# KiCad board MagMechSplit_nRF52840.kicad_pcb (continued)
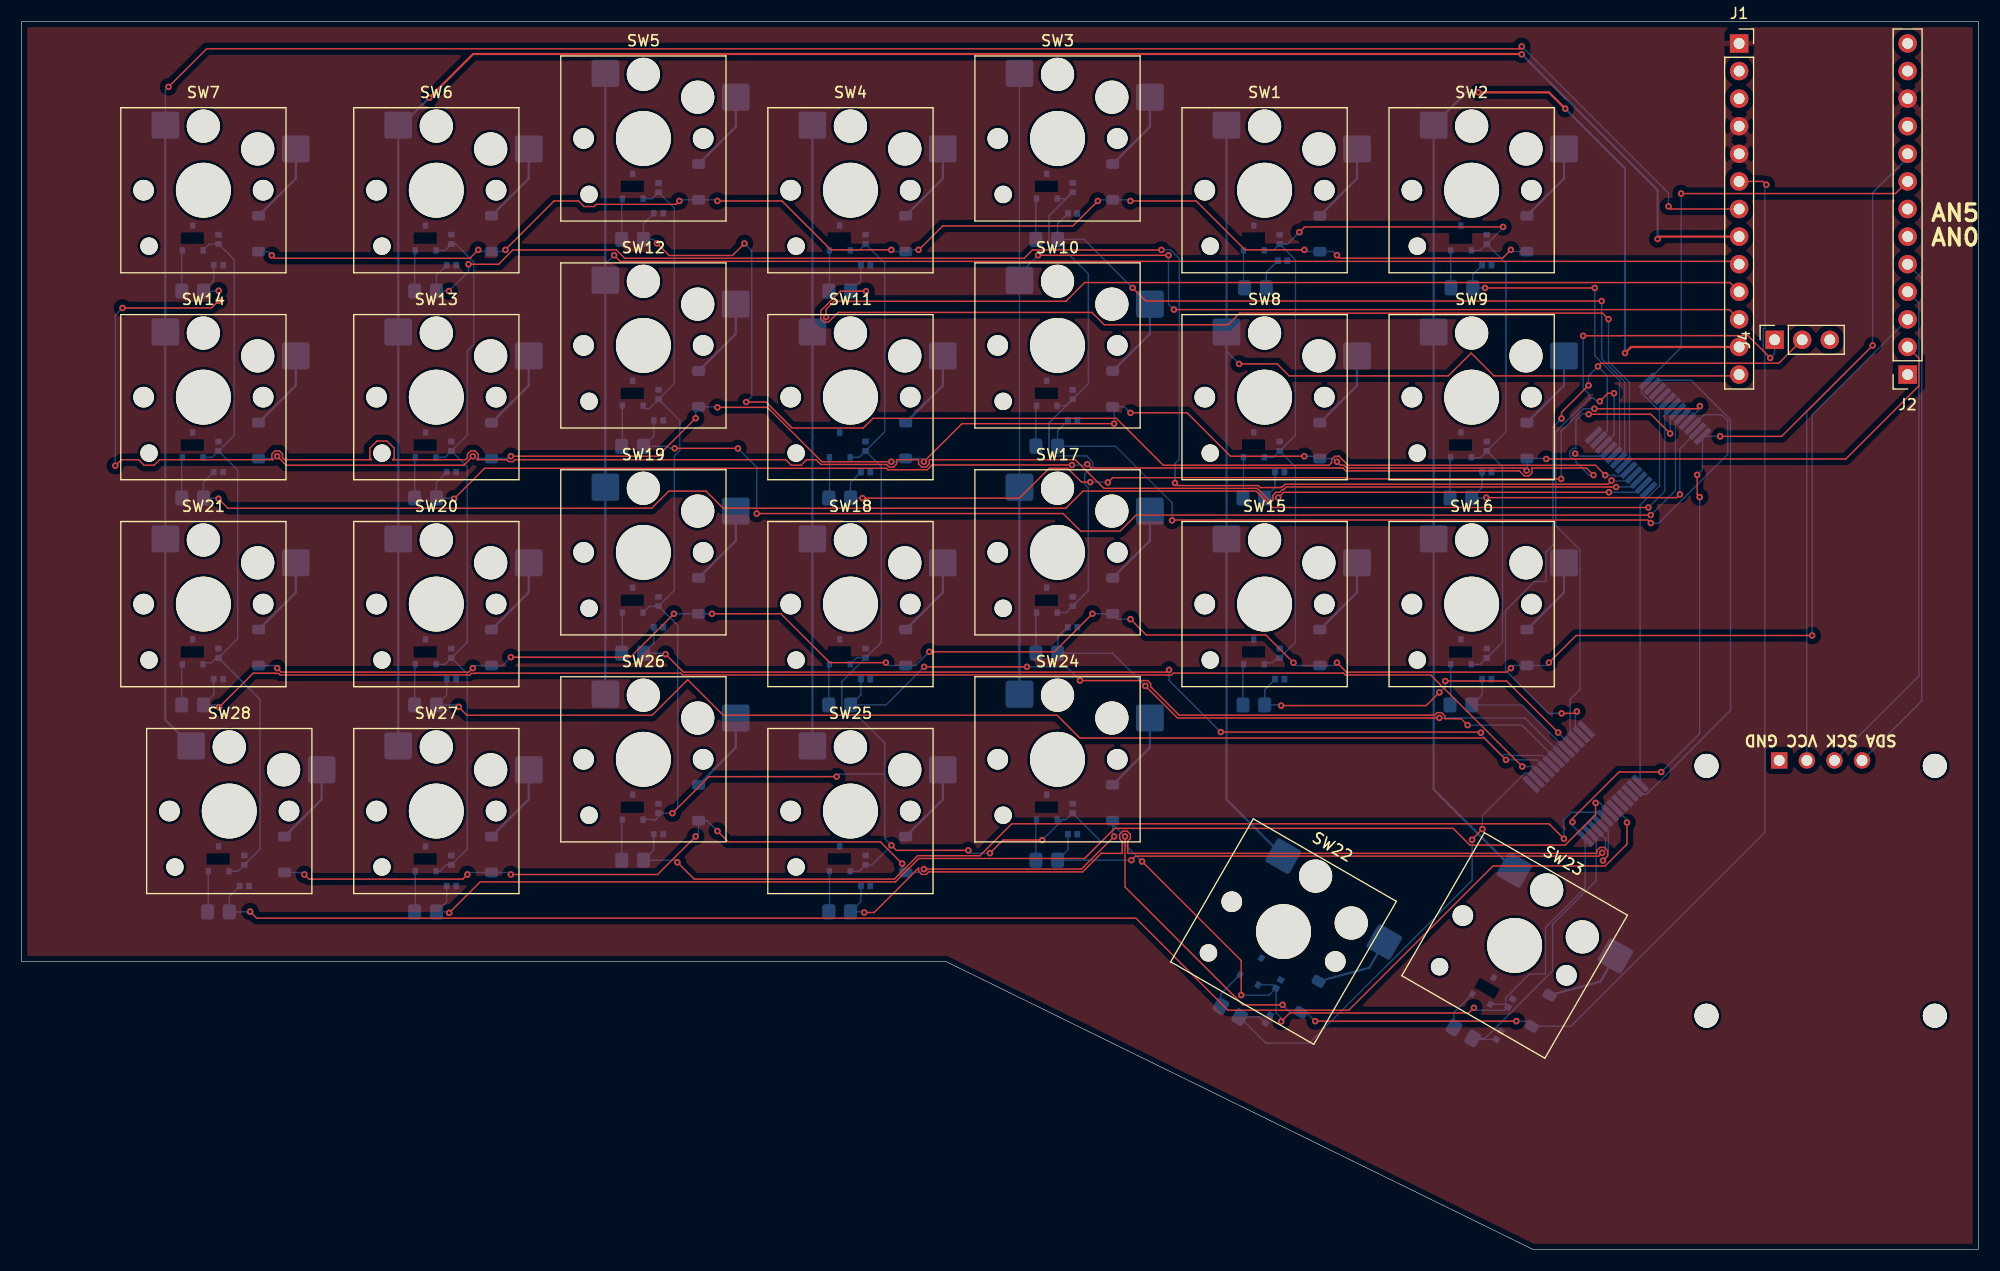
[diagram p0: board, top side]
## Nets
GND: C1.2 C2.2 C3.2 C4.2 C5.2 C6.2 C7.2 C8.2 C9.2 C10.2 C11.2 C12.2 C13.2 C14.2 C15.2 C16.2 C17.2 C18.2 C19.2 C20.2 C21.2 C22.2 C23.2 C24.2 C25.2 C26.2 C27.2 C28.2 C29.2 C30.2 C31.2 C32.2 C33.2 C34.2 C35.2 C36.2 C37.2 C38.2 C39.2 C40.2 C41.2 C42.2 C43.2 C44.2 C45.2 C46.2 C47.2 C48.2 C49.2 C50.2 C51.2 C52.2 C53.2 C54.2 C55.2 C56.2 J1.1 J1.4 J1.5 J2.11 T1.3 T2.3 T3.3 T4.3 T5.3 T6.3 T7.3 T8.3 T9.3 T10.3 T11.3 T12.3 T13.3 T14.3 T15.3 T16.3 T17.3 T18.3 T19.3 T20.3 T21.3 T22.3 T23.3 T24.3 T25.3 T26.3 T27.3 T28.3 U1.12 U1.15 U2.12 U2.15
gnd: REF**.1
VBAT: J2.12 J2.13
COL0: J1.13 SW1.1 SW8.1 SW15.1 SW22.1
COL1: J1.12 SW2.1 SW9.1 SW16.1 SW23.1
COL2: J1.11 SW3.1 SW10.1 SW17.1 SW24.1
COL3: J1.10 SW4.1 SW11.1 SW18.1 SW25.1
COL4: J1.9 SW5.1 SW12.1 SW19.1 SW26.1
COL5: J1.8 SW6.1 SW13.1 SW20.1 SW27.1
COL6: J1.7 SW7.1 SW14.1 SW21.1 SW28.1
P0.02: J2.6 U1.1
P0.09: D1.1 D2.1 D3.1 D4.1 D5.1 D6.1 D7.1 J2.1
P0.10: D8.1 D9.1 D10.1 D11.1 D12.1 D13.1 D14.1 J2.2
P0.17: D22.1 D23.1 D24.1 D25.1 D26.1 D27.1 D28.1 J1.6
P0.29: J2.7 U2.1
P0.31: J2.8 U1.13 U2.13
P1.01: J4.1 U1.10 U2.10
P1.02: J4.2 U1.11 U2.11
P1.07: J4.3 U1.14 U2.14
P1.11: D15.1 D16.1 D17.1 D18.1 D19.1 D20.1 D21.1 J2.3
P1.13: J2.4 REF**.3
P1.15: J2.5 REF**.4
RESET: J2.10
RXD: J1.3
S1: C8.1 R1.2 U2.9
S2: C9.1 R2.2 U2.8
S3: C10.1 R3.2 U2.7
S4: C11.1 R4.2 U2.6
S5: C12.1 R5.2 U2.5
S6: C13.1 R6.2 U2.4
S7: C14.1 R7.2 U2.3
S8: C22.1 R8.2 U2.2
S9: C23.1 R9.2 U2.23
S10: C24.1 R10.2 U2.22
S11: C25.1 R11.2 U2.21
S12: C26.1 R12.2 U2.20
S13: C27.1 R13.2 U2.19
S14: C28.1 R14.2 U2.18
S15: C36.1 R15.2 U1.9
S16: C37.1 R16.2 U1.8
S17: C38.1 R17.2 U1.7
S18: C39.1 R18.2 U1.6
S19: C40.1 R19.2 U1.5
S20: C41.1 R20.2 U1.4
S21: C42.1 R21.2 U1.3
S22: C50.1 R22.2 U1.2
S23: C51.1 R23.2 U1.23
S24: C52.1 R24.2 U1.22
S25: C53.1 R25.2 U1.21
S26: C54.1 R26.2 U1.20
S27: C55.1 R27.2 U1.19
S28: C56.1 R28.2 U1.18
TXD: J1.2
VOUT 3V3: C1.1 C2.1 C3.1 C4.1 C5.1 C6.1 C7.1 C15.1 C16.1 C17.1 C18.1 C19.1 C20.1 C21.1 C29.1 C30.1 C31.1 C32.1 C33.1 C34.1 C35.1 C43.1 C44.1 C45.1 C46.1 C47.1 C48.1 C49.1 J2.9 REF**.2 T1.1 T2.1 T3.1 T4.1 T5.1 T6.1 T7.1 T8.1 T9.1 T10.1 T11.1 T12.1 T13.1 T14.1 T15.1 T16.1 T17.1 T18.1 T19.1 T20.1 T21.1 T22.1 T23.1 T24.1 T25.1 T26.1 T27.1 T28.1 U1.24 U2.24
Net-(D1-A): D1.2 SW1.2
Net-(D2-A): D2.2 SW2.2
Net-(D3-A): D3.2 SW3.2
Net-(D4-A): D4.2 SW4.2
Net-(D5-A): D5.2 SW5.2
Net-(D6-A): D6.2 SW6.2
Net-(D7-A): D7.2 SW7.2
Net-(D8-A): D8.2 SW8.2
Net-(D9-A): D9.2 SW9.2
Net-(D10-A): D10.2 SW10.2
Net-(D11-A): D11.2 SW11.2
Net-(D12-A): D12.2 SW12.2
Net-(D13-A): D13.2 SW13.2
Net-(D14-A): D14.2 SW14.2
Net-(D15-A): D15.2 SW15.2
Net-(D16-A): D16.2 SW16.2
Net-(D17-A): D17.2 SW17.2
Net-(D18-A): D18.2 SW18.2
Net-(D19-A): D19.2 SW19.2
Net-(D20-A): D20.2 SW20.2
Net-(D21-A): D21.2 SW21.2
Net-(D22-A): D22.2 SW22.2
Net-(D23-A): D23.2 SW23.2
Net-(D24-A): D24.2 SW24.2
Net-(D25-A): D25.2 SW25.2
Net-(D26-A): D26.2 SW26.2
Net-(D27-A): D27.2 SW27.2
Net-(D28-A): D28.2 SW28.2
Net-(T1-VOUT): R1.1 T1.2
Net-(T2-VOUT): R2.1 T2.2
Net-(T3-VOUT): R3.1 T3.2
Net-(T4-VOUT): R4.1 T4.2
Net-(T5-VOUT): R5.1 T5.2
Net-(T6-VOUT): R6.1 T6.2
Net-(T7-VOUT): R7.1 T7.2
Net-(T8-VOUT): R8.1 T8.2
Net-(T9-VOUT): R9.1 T9.2
Net-(T10-VOUT): R10.1 T10.2
Net-(T11-VOUT): R11.1 T11.2
Net-(T12-VOUT): R12.1 T12.2
Net-(T13-VOUT): R13.1 T13.2
Net-(T14-VOUT): R14.1 T14.2
Net-(T15-VOUT): R15.1 T15.2
Net-(T16-VOUT): R16.1 T16.2
Net-(T17-VOUT): R17.1 T17.2
Net-(T18-VOUT): R18.1 T18.2
Net-(T19-VOUT): R19.1 T19.2
Net-(T20-VOUT): R20.1 T20.2
Net-(T21-VOUT): R21.1 T21.2
Net-(T22-VOUT): R22.1 T22.2
Net-(T23-VOUT): R23.1 T23.2
Net-(T24-VOUT): R24.1 T24.2
Net-(T25-VOUT): R25.1 T25.2
Net-(T26-VOUT): R26.1 T26.2
Net-(T27-VOUT): R27.1 T27.2
Net-(T28-VOUT): R28.1 T28.2

Pads without a net: U1 16 17; U2 16 17

## Via types
v1: diameter 0.6, hole 0.3, Front to Back, 170 vias

## Routing (per net, layer and track width the routed paths; a pad name or vN(x,y) marks a point on that pad's centre or on a via; arc(x,y) is an arc through that point)
COL0: length 121.1
  Front w0.127: J1.13 157.88,80.4 135.45,80.4 133.35,82.5 131.25,80.4 116.6,80.4 115.5,81.5 v1(112,81.5)
  Back w0.127: SW8.1 110.84,82.66 v1(112,81.5)
  Back w0.2: SW1.1 SW8.1 SW15.1 110.84,41.4 SW22.1
COL1: length 121.1
  Front w0.2: v1(142,105) 140.5,106.5 v1(134,106.5) ; J1.12 148.06,83.06 v1(147.5,82.5)
  Back w0.2: v1(142,105) 147.5,99.5 v1(147.5,82.5) ; v1(134,106.5) 132.9,106.5 SW2.1 SW9.1 SW16.1 129.89,42.34 SW23.1
COL2: length 148.8
  Front w0.127: J1.11 157.1,86.5 v1(106,86.5) ; v1(105.5,91.5) v1(93.5,91.5)
  Back w0.127: SW10.1 91.79,89.79 v1(93.5,91.5) ; v1(106,86.5) 105.5,87 v1(105.5,91.5) ; SW3.1 SW24.1
  Back w0.2: SW17.1 SW24.1
COL3: length 145.1
  Front w0.127: v1(74,85.83) 74,86.53 74.74,87.26 96.05,87.26 97.78,88.99 157.15,88.99 J1.10
  Back w0.127: v1(74,85.83) 74,85.7 SW11.1
  Back w0.2: SW4.1 SW11.1 SW18.1 SW25.1
COL4: length 163.6
  Front w0.127: v1(54.5,91.5) 55.06,90.94 157.74,90.94 J1.9
  Back w0.127: SW12.1 53.69,90.69 v1(54.5,91.5)
  Back w0.2: SW5.1 SW12.1 SW19.1 SW26.1
COL5: length 193.4
  Front w0.2: v1(37.5,106) 41.53,110.03 137.97,110.03 v1(138,110) ; J1.8 150.72,93.22 v1(150.5,93)
  Back w0.2: SW27.1 SW20.1 SW13.1 ; v1(138,110) 150.5,97.5 v1(150.5,93) ; SW13.1 34.64,84.89 ; SW13.1 SW6.1 34.99,103.49 v1(37.5,106)
COL6: length 214.7
  Front w0.127: v1(151.5,96) 151.74,95.76 J1.7 ; v1(13.5,107) 17.01,110.51 137.78,110.51 v1(138,110.73)
  Back w0.127: v1(13.5,107) 13.21,106.71 SW7.1 ; v1(151.5,96) 151.5,97.23 v1(138,110.73)
  Back w0.2: SW28.1 13.21,48.72 SW21.1 SW14.1 SW7.1
P0.09: length 126.3
  Front w0.127: v1(80,92) 74.44,92 69.94,96.5 v1(64,96.5) ; v1(121,91.5) 121.27,91.23 136.23,91.23 v1(137,92) ; v1(82.5,92) 82.53,92 84.73,94.2 96.7,94.2 v1(99,96.5) ; v1(44.5,92) 44.5,92.03 48.97,96.5 51.22,96.5 51.73,95.99 52.65,95.99 52.85,96.19 60.19,96.19 v1(60.5,96.5) ; v1(118,92) 112.54,92 108.04,96.5 v1(102,96.5) ; v1(23,91.5) 23.27,91.23 41.23,91.23 v1(42,92)
  Back w0.127: v1(137,92) 137.16,91.84 D2.1 ; v1(80,92) 80.16,91.84 D4.1 81.48,92 v1(82.5,92) ; v1(99,96.5) 99.1,96.6 D3.1 101.9,96.6 v1(102,96.5) ; v1(64,96.5) 63.9,96.6 D5.1 60.6,96.6 v1(60.5,96.5) ; D7.1 22.66,91.84 v1(23,91.5) ; v1(42,92) 42.16,91.84 D6.1 44.34,91.84 v1(44.5,92) ; v1(121,91.5) 120.66,91.84 D1.1 118.16,91.84 v1(118,92)
P0.10: length 171.9
  Front w0.127: v1(100.5,76) 86.5,76 v1(83,72.5) ; v1(138.45,71.68) 138.21,71.92 121.92,71.92 121.66,72.17 121.33,72.17 v1(121,72.5) ; v1(23.5,73) 24.32,72.18 40.68,72.18 v1(41.5,73) ; v1(102,77) 107.21,77 111.21,73 v1(118,73) ; v1(80,72.5) 73.61,72.5 68.61,77.5 v1(64,77.5) ; v1(140.25,72.75) 167.81,72.75 174.54,79.48 174.54,82.02 J2.2 ; v1(62,76.5) 58.5,73 v1(45,73)
  Back w0.127: v1(102,77) 101.45,77.55 D10.1 100.5,77.42 v1(100.5,76) ; v1(80,72.5) 81.03,72.5 D11.1 82.71,72.79 v1(83,72.5) ; v1(45,73) 44.79,72.79 D13.1 41.71,72.79 v1(41.5,73) ; v1(140.25,72.75) 140.21,72.79 D9.1 138.5,72.76 138.5,71.73 v1(138.45,71.68) ; v1(64,77.5) 63.95,77.55 D12.1 62,77.28 v1(62,76.5) ; v1(23.5,73) 23.29,72.79 D14.1 ; v1(121,72.5) 120.71,72.79 D8.1 119.21,73 v1(118,73)
P0.17: length 225.7
  Front w0.127: J1.6 160.2,98.3 v1(160.5,98) ; v1(45,34.5) 58.5,34.5 v1(62,38) ; v1(81,35.5) 79,37.5 65,37.5 v1(64,38.5) ; v1(119,21) v1(137.5,21) ; v1(116,22.5) 112.35,22.5 101.5,33.35 v1(101.5,38) ; v1(100.5,38) 100.49,38 97.49,35 83.33,35 83.19,34.86 83.14,34.86 v1(83,35) ; v1(26,34.5) 26.42,34.08 40.58,34.08 v1(41,34.5)
  Back w0.127: v1(116,22.5) 116.69,21.81 D22.1 118.19,21.81 v1(119,21) ; v1(160.5,98) 160.37,97.87 160.37,84.76 160.22,84.76 160.22,82.68 160.37,82.68 160.37,38.38 142.53,20.53 D23.1 138.45,21 v1(137.5,21) ; v1(101.5,38) 100.37,39.13 D24.1 100.37,38.13 v1(100.5,38) ; v1(64,38.5) 63.05,39.45 D26.1 62.27,38.27 v1(62,38) ; v1(26,34.5) 25.81,34.69 D28.1 ; v1(81,35.5) 81,35.01 D25.1 82.69,34.69 v1(83,35) ; v1(45,34.5) 44.81,34.69 D27.1 41.19,34.69 v1(41,34.5)
P0.31: length 78.5
  Front w0.127: v1(152.66,97.18) 172.38,97.18 J2.8
  Back w0.127: v1(152.66,97.18) 152.66,83 U2.13 149.02,79.36 149.02,78.84 150.68,77.18 150.68,70.29 148.89,68.5 U1.13
P1.01: length 68
  Front w0.127: v1(143.65,84.09) 147.04,84.09 147.05,84.1 158.81,84.1 v1(160.86,82.05) ; v1(146.49,78.8) 145.93,78.8 v1(145.19,78.06)
  Back w0.127: 144.22,78.33 144.22,78.69 143.65,79.27 v1(143.65,84.09) ; 144.22,78.33 144.66,78.33 144.93,78.06 v1(145.19,78.06) ; 144.22,78.33 144.12,78.23 144.11,78.23 141.13,75.25 141.13,66.61 143.36,64.38 143.36,51.53 142.44,50.61 142.44,47.5 U1.10 ; v1(160.86,82.05) 161.26,82.45 J4.1 ; v1(146.49,78.8) 146.49,74.99 U2.10
P1.02: length 70.1
  Front w0.127: v1(143.07,49.51) 142.89,49.33 v1(141.67,49.33) ; v1(144.14,79.52) 141.66,77.04 v1(141.66,76.48) ; J4.2 161.64,81.56 145.3,81.56 v1(145.01,81.27)
  Back w0.127: v1(144.14,79.52) 144.14,80.4 v1(145.01,81.27) 145.87,80.42 145.87,75.29 U2.11 ; v1(143.07,49.51) 142.92,49.36 142.92,47.95 U1.11 ; v1(141.67,49.33) 140.47,49.33 136.51,53.3 136.51,58.8 139.18,61.47 140.23,61.47 140.23,64.19 140.87,64.83 140.87,75.69 v1(141.66,76.48)
P1.07: length 47.9
  Back w0.127: U1.14 148.98,41.89 149.49,41.89 157.21,49.6 157.21,76.38 153.58,80 150.58,80 U2.14
P1.11: length 185.9
  Front w0.127: v1(117,54) 114.45,56.55 103.45,56.55 v1(102,58) ; v1(83.5,55) 95,55 v1(98.5,58.5) ; v1(164.72,56.5) 143,56.5 v1(140.5,54) ; v1(23.5,53.5) 23.87,53.13 41.13,53.13 v1(41.5,53.5) ; v1(63.5,58.5) 69.84,58.5 74.34,54 v1(79.5,54) ; v1(137,53.5) 136.63,53.13 121.87,53.13 v1(121,54) ; v1(60,58.5) 56,54.5 v1(45,54.5)
  Back w0.127: D21.1 23.26,53.74 v1(23.5,53.5) ; v1(83.5,55) 82.24,53.74 D18.1 79.76,53.74 v1(79.5,54) ; v1(41.5,53.5) 41.74,53.74 D20.1 44.24,53.74 v1(45,54.5) ; v1(140.5,54) 140.24,53.74 D16.1 137.24,53.74 v1(137,53.5) ; v1(117,54) 117.26,53.74 D15.1 120.74,53.74 v1(121,54) ; v1(98.5,58.5) 98.5,58.5 D17.1 100.87,58 v1(102,58) ; v1(164.72,56.5) 164.72,76.82 J2.3 ; v1(60,58.5) 60,58.5 D19.1 62.27,58.5 v1(63.5,58.5)
P1.13: length 46.8
  Back w0.127: J2.4 174.54,87.1 174.54,52.77 REF**.3
P1.15: length 48.5
  Back w0.127: J2.5 174.8,89.38 174.8,50.49 REF**.4
S1: length 6.3
  Back w0.127: R1.2 114.5,89.93 C8.1 ; v1(142.91,73.24) 143.13,73.02 145.44,73.02 U2.9
S2: length 30.2
  Front w0.127: v1(144.71,88.5) 144.7,88.49 v1(134.62,88.49)
  Back w0.127: U2.8 147,73.66 147,79.98 144.71,82.27 v1(144.71,88.5) ; v1(134.62,88.49) 134.61,88.5 R2.2 133.5,89.74 C9.1
S3: length 70.9
  Front w0.127: v1(145.35,87.29) 103.41,87.29 v1(102.2,88.5)
  Back w0.127: v1(102.2,88.5) 97.73,92.97 R3.2 95.3,94.4 C10.1 ; v1(145.35,87.29) 145.35,81.99 147.46,79.88 147.46,73.2 U2.7
S4: length 98.5
  Front w0.127: v1(145.98,85.62) 145.42,86.18 112.06,86.18 110.98,85.1 99.59,85.1 98.45,86.24 75.11,86.24 74.2,85.33 73.8,85.33 73.51,85.62 73.51,86.4 75.3,88.19 v1(77.67,88.19)
  Back w0.127: v1(145.98,85.62) 145.98,81.72 147.92,79.78 147.92,72.74 U2.6 ; v1(77.67,88.19) 77.65,88.21 R4.2 77.2,89.16 C11.1
S5: length 114.1
  Front w0.127: v1(145.69,71.26) 144.78,72.17 138.65,72.17 138.65,72.17 138.25,72.17 138.25,72.17 122.03,72.17 121.15,73.05 121.09,72.99 120.8,72.99 120.51,72.7 120.51,72.41 120.28,72.18 105.02,72.18 100.7,76.49 78.31,76.49 77.42,75.6 70.87,75.6 68.48,77.99 v1(66.64,77.99) ; v1(58.44,92.6) 59.56,91.48 65.38,91.48 v1(66.49,92.59)
  Back w0.127: U2.5 147.28,71.18 146.55,71.18 146.47,71.26 v1(145.69,71.26) ; v1(66.49,92.59) 67.16,91.92 67.16,78.51 v1(66.64,77.99) ; C12.1 57.2,94.4 R5.2 58.07,92.97 v1(58.44,92.6)
S6: length 137.7
  Front w0.127: v1(146.26,70.77) 145.92,70.43 145.71,70.43 145.71,70.43 116.23,70.43 115.99,70.19 115.88,70.19 115.81,70.12 113.95,70.12 113.77,70.3 106.34,70.3 v1(106.1,70.54) ; v1(41.1,90.67) 43.87,90.67 45.19,91.99 54.7,91.99 55.47,91.23 92.23,91.23 92.99,91.99 v1(104.85,91.99)
  Back w0.127: C13.1 38.15,89.64 R6.2 39.3,88.21 v1(39.3,88.21) 41.1,90.01 v1(41.1,90.67) ; v1(106.1,70.54) 106.1,72.32 106.49,72.71 106.49,91.2 105.7,91.99 v1(104.85,91.99) ; v1(146.26,70.77) 146.31,70.72 147.74,70.72 U2.4
S7: length 180.7
  Front w0.127: v1(18.11,87.31) 17.45,86.65 v1(9.27,86.65) ; v1(146.68,70.17) 146.22,70.17 116.33,70.17 116.1,69.94 115.99,69.94 115.73,69.68 115.4,69.68 115.11,69.39 115.11,68.99 115.13,68.97 114.94,68.78 113.66,70.05 99.56,70.05 96.93,72.68 83.54,72.68 83.49,72.63 83.49,72.3 83.2,72.01 82.8,72.01 82.51,72.3 82.51,72.68 80.49,72.68 80.49,72.3 80.2,72.01 79.8,72.01 79.56,72.25 73.5,72.25 73.07,72.68 72.21,72.68 71.7,72.18 70.78,72.18 70.28,72.68 45.38,72.68 45.2,72.51 44.8,72.51 44.62,72.68 41.88,72.68 41.99,72.8 41.99,73.2 41.7,73.49 41.3,73.49 41.01,73.2 41.01,72.87 40.82,72.68 34.11,72.68 34.26,72.83 34.26,73.75 33.6,74.4 32.68,74.4 32.03,73.75 32.03,72.83 32.18,72.68 24.18,72.68 23.99,72.87 23.99,73.2 23.7,73.49 23.3,73.49 23.01,73.2 23.01,72.8 23.12,72.68 12.68,72.68 12.17,72.18 11.25,72.18 10.74,72.68 9.16,72.68 v1(8.61,72.13)
  Back w0.127: v1(146.68,70.17) 148.11,70.17 U2.3 ; v1(18.11,87.31) 18.11,88.23 v1(18.12,88.24) 18.09,88.21 R7.2 17.67,89.16 C14.1 ; v1(9.27,86.65) 8.61,85.99 v1(8.61,72.13)
S8: length 38.1
  Front w0.127: v1(115.6,69.19) 116.09,69.68 146.02,69.68 v1(146.02,69.68)
  Back w0.127: C22.1 115.3,70.11 R8.2 115.57,69.16 v1(115.6,69.19) ; U2.2 148.54,69.68 v1(146.02,69.68)
S9: length 28.6
  Front w0.127: v1(134.73,69.19) 152.25,69.19 v1(152.55,69.49)
  Back w0.127: v1(152.55,69.49) 152.55,73.69 U2.23 ; C23.1 134.35,70.11 R9.2 134.7,69.16 v1(134.73,69.19)
S10: length 77.9
  Front w0.127: v1(149.88,66.85) 149.6,67.13 105.86,67.13 v1(105.83,67.1)
  Back w0.127: C24.1 95.3,75.35 R10.2 100.62,73.92 105.83,68.71 v1(105.83,67.1) ; v1(149.88,66.85) 150.61,66.85 156.95,73.19 156.95,76.27 156.4,76.82 154.76,76.82 U2.22
S11: length 90
  Front w0.127: v1(154.39,77.62) 154.14,77.37 v1(144.68,77.37) ; v1(77.35,69.15) 91.79,69.15 94.53,71.89 96.22,71.89 97.5,70.61 v1(98.3,70.61) ; v1(141.62,70.92) 121.86,70.92 121.75,71.03 100.36,71.03 v1(99.92,70.59)
  Back w0.127: v1(144.68,77.37) 143.69,77.37 141.62,75.3 v1(141.62,70.92) ; v1(77.35,69.15) 77.34,69.16 R11.2 76.25,70.59 C25.1 ; v1(99.92,70.59) 99.9,70.61 v1(98.3,70.61) ; U2.21 154.39,77.37 v1(154.39,77.62)
S12: length 112.1
  Front w0.127: v1(149.87,67.59) 102.53,67.59 101.05,66.11 97.42,66.11 95.81,67.72 v1(67.62,67.72) ; v1(65.89,73.72) 65.88,73.73 v1(60.06,73.73)
  Back w0.127: v1(65.89,73.72) 67.62,71.99 v1(67.62,67.72) ; U2.20 152.15,76.05 152.15,69.86 v1(149.87,67.59) ; C26.1 58.15,74.87 R12.2 59.43,73.92 59.62,73.73 v1(60.06,73.73)
S13: length 130.8
  Front w0.127: v1(151.66,75.09) 149.88,76.87 v1(144.16,76.87) ; v1(98.03,72.27) 98.38,71.92 121.22,71.92 121.22,71.92 121.56,71.92 121.81,71.66 137.77,71.66 138.25,71.19 138.65,71.19 138.94,71.48 138.94,71.88 138.91,71.92 143.95,71.92 v1(144.6,71.26) ; v1(39.78,69.09) 42.58,71.89 79.55,71.89 79.69,71.75 83.31,71.75 83.76,72.2 96.62,72.2 v1(96.62,72.19)
  Back w0.127: v1(144.16,76.87) 144.13,76.9 143.58,76.9 142.98,76.3 142.98,73.73 142.71,73.73 142.42,73.44 142.42,73.04 142.71,72.75 142.98,72.75 142.98,72.48 144.19,71.26 v1(144.6,71.26) ; U2.19 151.66,76.48 v1(151.66,75.09) ; v1(98.03,72.27) 97.95,72.19 v1(96.62,72.19) ; C27.1 38.15,70.59 R13.2 39.71,69.16 v1(39.78,69.09)
S14: length 148.9
  Front w0.127: v1(18.1,69.09) 18.98,68.21 57.95,68.21 59.53,69.79 62.95,69.79 64.53,68.21 96.05,68.21 97.63,69.79 113.56,69.79 115.07,68.28 v1(149.65,68.28)
  Back w0.127: C28.1 16.72,70.59 R14.2 18.03,69.16 v1(18.1,69.09) ; v1(149.65,68.28) 151.17,69.8 151.17,76.9 U2.18
S15: length 34.6
  Front w0.127: v1(141.35,47.57) 136.61,52.31 v1(130.97,52.31) ; v1(115.87,50.05) 129.21,50.05 v1(130.42,51.26)
  Back w0.127: v1(130.97,52.31) 130.97,51.81 v1(130.42,51.26) ; v1(141.35,47.57) 142.44,46.48 U1.9 ; v1(115.87,50.05) 115.81,50.11 R15.2 114.35,51.51 115.3,52.46 C36.1
S16: length 13.2
  Back w0.127: U1.8 138,50.11 R16.2 134.35,51.06 C37.1
S17: length 53
  Front w0.127: v1(103.37,51.86) 106.32,48.91 v1(130.42,48.91)
  Back w0.127: v1(103.37,51.86) 100.36,54.87 R17.2 95.31,54.88 95.31,56.39 96.17,57.25 C38.1 ; U1.7 138.28,48.91 v1(130.42,48.91)
S18: length 73.2
  Front w0.127: v1(133.02,48.25) 132.43,48.84 130.91,48.84 130.91,49.11 130.62,49.4 130.21,49.4 129.98,49.17 106.48,49.17 103.86,51.79 103.86,52.06 103.57,52.35 103.17,52.35 v1(97.36,52.35) ; v1(92.48,53.62) v1(83.02,53.62)
  Back w0.127: v1(92.48,53.62) 96.1,53.62 v1(97.36,52.35) ; v1(83.02,53.62) 79.51,50.11 R18.2 77.2,51.06 C39.1 ; U1.6 138.02,48.25 v1(133.02,48.25)
S19: length 91.4
  Front w0.127: v1(110.31,47.61) 134.19,47.61 v1(134.24,47.55) ; v1(59.23,54.78) 60.88,53.13 105.34,53.13 v1(105.55,53.33)
  Back w0.127: U1.5 139.89,45.46 136.84,45.46 136.75,45.54 136.35,45.54 136.26,45.46 136.2,45.46 134.24,47.42 v1(134.24,47.55) ; C40.1 58.15,55.82 R19.2 59.14,54.87 v1(59.23,54.78) ; v1(110.31,47.61) 105.55,52.37 v1(105.55,53.33)
S20: length 110
  Front w0.127: v1(136.55,45.05) 134.54,47.06 97.35,47.06 95.25,49.16 64.53,49.16 61.27,52.43 58,49.16 40.96,49.16 v1(40.19,49.93)
  Back w0.127: v1(136.55,45.05) 139.38,45.05 U1.4 ; v1(40.19,49.93) 40.01,50.11 R20.2 39.1,51.06 C41.1
S21: length 131.4
  Front w0.127: v1(138.05,44.44) 129.62,52.87 121.77,52.87 121.6,53.04 105.95,53.04 105.75,52.84 105.35,52.84 105.32,52.87 60.78,52.87 60.61,53.04 41.74,53.04 41.7,53.01 41.37,53.01 41.23,52.87 23.77,52.87 23.63,53.01 23.3,53.01 23.26,53.04 21.3,53.04 v1(18.15,49.89)
  Back w0.127: C42.1 17.67,51.06 R21.2 17.93,50.11 v1(18.15,49.89) ; v1(138.05,44.44) 139.07,44.44 U1.3
S22: length 44.3
  Front w0.127: v1(133.43,37.7) 133.43,37.73 v1(134.38,38.68)
  Back w0.127: C50.1 113.86,21.38 R22.2 112.05,21.38 114.45,18.98 118.44,18.98 133.43,33.97 v1(133.43,37.7) ; U1.2 138.78,43.81 138.27,43.81 134.38,39.92 v1(134.38,38.68)
S23: length 26.7
  Back w0.127: C51.1 133.58,19.32 R23.2 134.62,19.41 140.84,25.64 140.84,29.93 144.84,33.92 144.84,37.75 U1.23
S24: length 55.9
  Front w0.127: v1(145.4,36.5) 145.09,36.19 102.46,36.19 v1(102.09,35.82)
  Back w0.127: U1.22 145.71,37.8 145.71,36.81 v1(145.4,36.5) ; C52.1 96.25,36.77 R24.2 102.09,35.82 v1(102.09,35.82)
S25: length 85.3
  Front w0.127: v1(145.47,35.78) 145.89,36.2 145.89,36.7 145.6,36.99 145.2,36.99 144.91,36.7 144.91,36.45 101.75,36.45 101.75,37.56 101.99,37.8 101.99,38.2 101.7,38.49 101.3,38.49 101.01,38.2 101.01,37.8 101.25,37.56 101.25,36.45 99.31,36.45 97.61,34.75 83.44,34.75 83.2,34.51 82.8,34.51 82.51,34.8 82.51,35.09 78.42,31 v1(77.51,31)
  Back w0.127: v1(77.51,31) 77.45,31.06 R25.2 77.2,32.01 C53.1 ; v1(145.47,35.78) 145.96,36.27 145.96,38.47 U1.21
S26: length 96.9
  Front w0.127: v1(60.32,35.62) 61.86,34.08 80.27,34.08 82.43,36.23 88.14,36.23 91.09,39.17 140.5,39.17 v1(141.88,37.79)
  Back w0.127: v1(60.32,35.62) 60.12,35.82 R26.2 58.15,36.77 C54.1 ; v1(141.88,37.79) 141.88,39.53 142.58,40.23 145.12,40.23 U1.20
S27: length 117.3
  Front w0.127: v1(39.33,30.97) 42.18,33.82 80.38,33.82 82.53,35.97 97.78,35.97 100.55,38.75 131.69,38.75 133.23,37.21 141.99,37.21 144.8,40.01 v1(144.8,41.09)
  Back w0.127: C55.1 39.1,32.01 R27.2 39.24,31.06 v1(39.33,30.97) ; v1(144.8,41.09) 145.18,41.09 U1.19
S28: length 145.2
  Front w0.127: v1(21.01,31.08) 21.61,30.48 102.5,30.48 110.97,22.01 122.09,22.01 135.36,35.29 145.68,35.29 147.68,37.29 v1(147.68,39.28)
  Back w0.127: v1(147.68,39.28) 147.68,39.51 U1.18 ; v1(21.01,31.08) 20.99,31.06 R28.2 19.1,32.49 C56.1
VOUT 3V3: length 684.3
  Front w0.127: v1(74.97,43.51) 63.23,43.51 v1(59.86,40.14) ; v1(156.25,74.83) 161.91,74.83 v1(170.28,83.2) ; v1(89.07,36.47) 90.28,37.67 v1(93.88,37.67) ; v1(80.01,37.18) 80.47,36.72 v1(87.09,36.72) ; 142.66,39.27 v1(142.66,39.33) 142.66,39.65 146.95,43.93 v1(150.84,43.93) ; v1(133.6,22.23) 133.12,21.75 116.65,21.75 v1(115.87,20.97) ; v1(117.54,93.63) 118.02,94.11 v1(136.28,94.11) ; v1(154.37,69.24) 154.14,69.47 v1(154.14,71.29) ; v1(103.07,35.7) 112.19,26.58 v1(112.19,23.4)
  Back w0.127: 79.4,43.74 79.4,46.6 76.79,49.21 75.71,49.21 75.46,49.47 75.46,52.26 C32.1 ; 79.4,43.74 79.4,37.79 v1(80.01,37.18) 78.22,35.39 C46.1 77.04,34.8 T25.1 ; 79.4,43.74 75.2,43.74 v1(74.97,43.51) ; C33.1 60.35,57.43 60.35,40.63 v1(59.86,40.14) 59.85,40.15 C47.1 58.58,39.83 58.21,39.46 58.11,39.56 T26.1 ; C33.1 60.03,60.65 60.03,73.01 60.55,73.53 60.55,76.28 C19.1 ; C33.1 57.75,59.2 T19.1 ; T10.1 96.09,77.66 C17.1 ; C16.1 136.23,72.04 136.23,55.89 C30.1 134.19,53.85 T16.1 ; C16.1 134.78,73.43 134.2,72.85 133.41,72.85 T9.1 ; C16.1 136.55,75.26 136.55,90.77 C2.1 ; C1.1 117.18,91.09 117.18,74.94 C15.1 ; C1.1 116.45,92.54 v1(117.54,93.63) ; C1.1 115.14,91.95 T1.1 ; v1(142.66,39.33) 142.66,39.01 U1.24 143.83,33.27 140.18,29.63 140.18,25.34 138.71,25.34 136.51,23.14 136.51,22.51 C44.1 ; C32.1 79.08,55.89 79.08,72.04 C18.1 ; C32.1 76.8,54.44 T18.1 ; C21.1 19.87,71.72 19.87,56.21 C35.1 ; C21.1 17.51,72.9 T14.1 ; C21.1 19.55,74.94 19.55,91.09 C7.1 17.27,92.54 T7.1 ; v1(112.19,23.4) 114.75,23.4 C43.1 ; C35.1 17.89,54.44 17.44,53.99 16.82,53.99 T21.1 ; C35.1 21.93,50.61 21.93,36.84 C49.1 19.89,34.8 T28.1 ; v1(154.37,69.24) 154.37,47.46 v1(150.84,43.93) ; T5.1 57.99,96.71 C5.1 60.03,95.85 60.03,79.7 C19.1 ; T13.1 38.94,72.9 C20.1 ; C20.1 40.98,72.04 40.98,55.89 C34.1 ; C20.1 40.98,74.94 40.98,82.68 41.59,83.29 41.59,90.87 39.93,92.54 C6.1 38.94,91.95 T6.1 ; 96.09,39.56 C45.1 99.32,37.51 101.26,37.51 v1(103.07,35.7) ; 96.09,39.56 95.77,39.56 v1(93.88,37.67) ; 96.09,39.56 T24.1 ; C34.1 40.98,52.99 40.98,36.84 C48.1 39.06,35.39 38.47,34.8 T27.1 ; C34.1 38.94,53.85 T20.1 ; T2.1 134.19,91.95 C2.1 ; T12.1 57.45,77.37 57.7,77.37 C19.1 ; C18.1 77.04,72.9 T11.1 ; C18.1 79.4,75.26 79.4,90.77 C4.1 77.04,91.95 T4.1 ; T3.1 96.09,96.71 C3.1 94.51,95.13 94.51,92.33 94.76,92.08 95.84,92.08 98.13,89.79 98.13,79.7 C17.1 ; C17.1 94.51,76.08 94.51,73.28 94.76,73.03 97.97,73.03 98.52,72.48 98.52,72.07 97.79,71.33 97.79,70.43 98.13,70.09 98.13,60.65 C31.1 96.09,58.61 T17.1 ; v1(89.07,36.47) 87.35,36.47 v1(87.09,36.72) ; v1(133.6,22.23) 133.82,22.01 136.46,22.01 C44.1 ; v1(156.25,74.83) 156.23,74.85 U2.24 154.63,71.78 v1(154.14,71.29) ; T22.1 115.1,24.34 C43.1 ; T8.1 115.14,72.9 C15.1 ; C15.1 117.18,72.04 117.18,55.89 C29.1 115.49,54.44 115.04,53.99 114.45,53.99 T15.1 ; C44.1 136.47,22.55 T23.1 ; C43.1 115.39,21.77 115.87,21.29 v1(115.87,20.97) ; 173.75,100.84 173.75,100.73 170.28,97.26 v1(170.28,83.2) 164.23,77.15 REF**.2 ; C2.1 136.28,94.04 v1(136.28,94.11)
Net-(D1-A): length 7.6
  Back w0.2: D1.2 122.84,98.56 SW1.2
Net-(D2-A): length 7.6
  Back w0.2: D2.2 141.89,98.56 SW2.2
Net-(D3-A): length 7.6
  Back w0.2: D3.2 103.79,103.32 SW3.2
Net-(D4-A): length 7.6
  Back w0.2: D4.2 84.74,98.56 SW4.2
Net-(D5-A): length 7.6
  Back w0.2: D5.2 65.69,103.32 SW5.2
Net-(D6-A): length 7.6
  Back w0.2: SW6.2 46.64,98.56 D6.2
Net-(D7-A): length 7.6
  Back w0.2: D7.2 25.21,98.56 SW7.2
Net-(D8-A): length 7.6
  Back w0.2: SW8.2 122.84,79.51 D8.2
Net-(D9-A): length 7.6
  Back w0.2: SW9.2 141.89,79.51 D9.2
Net-(D10-A): length 7.6
  Back w0.2: D10.2 103.79,84.27 SW10.2
Net-(D11-A): length 7.6
  Back w0.2: D11.2 84.74,79.51 SW11.2
Net-(D12-A): length 7.6
  Back w0.2: SW12.2 65.69,84.27 D12.2
Net-(D13-A): length 7.6
  Back w0.2: D13.2 46.64,79.51 SW13.2
Net-(D14-A): length 7.6
  Back w0.2: SW14.2 25.21,79.51 D14.2
Net-(D15-A): length 7.6
  Back w0.2: SW15.2 122.84,60.46 D15.2
Net-(D16-A): length 7.6
  Back w0.2: SW16.2 141.89,60.46 D16.2
Net-(D17-A): length 7.6
  Back w0.2: SW17.2 103.79,65.22 D17.2
Net-(D18-A): length 7.6
  Back w0.2: D18.2 84.74,60.46 SW18.2
Net-(D19-A): length 7.6
  Back w0.2: D19.2 65.69,65.22 SW19.2
Net-(D20-A): length 7.6
  Back w0.2: SW20.2 46.64,60.46 D20.2
Net-(D21-A): length 7.6
  Back w0.2: SW21.2 25.21,60.46 D21.2
Net-(D22-A): length 7.6
  Back w0.2: SW22.2 123.98,25.92 D22.2
Net-(D23-A): length 7.6
  Back w0.2: SW23.2 145.24,24.64 D23.2
Net-(D24-A): length 7.6
  Back w0.2: D24.2 103.79,46.17 SW24.2
Net-(D25-A): length 7.6
  Back w0.2: SW25.2 84.74,41.41 D25.2
Net-(D26-A): length 7.6
  Back w0.2: D26.2 65.69,46.17 SW26.2
Net-(D27-A): length 7.6
  Back w0.2: SW27.2 46.64,41.41 D27.2
Net-(D28-A): length 7.6
  Back w0.2: SW28.2 27.59,41.41 D28.2
Net-(T1-VOUT): length 3.5
  Back w0.127: R1.1 112.41,88.59 T1.2
Net-(T2-VOUT): length 3.5
  Back w0.127: T2.2 131.46,88.54 R2.1
Net-(T3-VOUT): length 3.8
  Back w0.127: T3.2 93.3,96.65 R3.1
Net-(T4-VOUT): length 3.8
  Back w0.127: T4.2 74.31,88.27 R4.1
Net-(T5-VOUT): length 3.8
  Back w0.127: R5.1 55.2,96.65 T5.2
Net-(T6-VOUT): length 3.8
  Back w0.127: R6.1 36.15,91.89 T6.2
Net-(T7-VOUT): length 3.8
  Back w0.127: R7.1 14.72,91.89 T7.2
Net-(T8-VOUT): length 3.8
  Back w0.127: T8.2 112.41,69.22 R8.1
Net-(T9-VOUT): length 3.8
  Back w0.127: T9.2 131.4,72.84 R9.1
Net-(T10-VOUT): length 3.8
  Back w0.127: T10.2 93.3,77.6 R10.1
Net-(T11-VOUT): length 3.8
  Back w0.127: T11.2 74.31,69.22 R11.1
Net-(T12-VOUT): length 3.8
  Back w0.127: R12.1 55.26,73.98 T12.2
Net-(T13-VOUT): length 3.8
  Back w0.127: R13.1 36.15,72.84 T13.2
Net-(T14-VOUT): length 3.8
  Back w0.127: T14.2 14.72,72.84 R14.1
Net-(T15-VOUT): length 3.8
  Back w0.127: R15.1 112.35,53.79 T15.2
Net-(T16-VOUT): length 3.8
  Back w0.127: R16.1 131.46,50.17 T16.2
Net-(T17-VOUT): length 3.8
  Back w0.127: R17.1 93.3,58.55 T17.2
Net-(T18-VOUT): length 3.8
  Back w0.127: R18.1 74.25,53.79 T18.2
Net-(T19-VOUT): length 3.8
  Back w0.127: R19.1 55.26,54.93 T19.2
Net-(T20-VOUT): length 3.8
  Back w0.127: T20.2 36.15,53.79 R20.1
Net-(T21-VOUT): length 3.8
  Back w0.127: R21.1 14.72,53.79 T21.2
Net-(T22-VOUT): length 3.6
  Back w0.127: T22.2 110.31,23.51 R22.1
Net-(T23-VOUT): length 3.8
  Back w0.127: R23.1 131.76,21.8 T23.2
Net-(T24-VOUT): length 3.8
  Back w0.127: T24.2 93.3,39.5 R24.1
Net-(T25-VOUT): length 3.8
  Back w0.127: R25.1 74.31,31.12 T25.2
Net-(T26-VOUT): length 3.8
  Back w0.127: R26.1 55.2,39.5 T26.2
Net-(T27-VOUT): length 3.8
  Back w0.127: R27.1 36.21,31.12 T27.2
Net-(T28-VOUT): length 3.8
  Back w0.127: R28.1 17.16,31.12 T28.2

## Copper pours and planes (outline as drawn; the poured copper is in the pictures)
GND on Front, Back, In1.Cu, In2.Cu: 0,117.5 0,-2.5 185,-2.5 185,117.5

## Text on the board
F.Fab: AN7
F.Silkscreen: AN5 | AN0
